# KiCad board SF_01 Compute Board.kicad_pcb (continued)
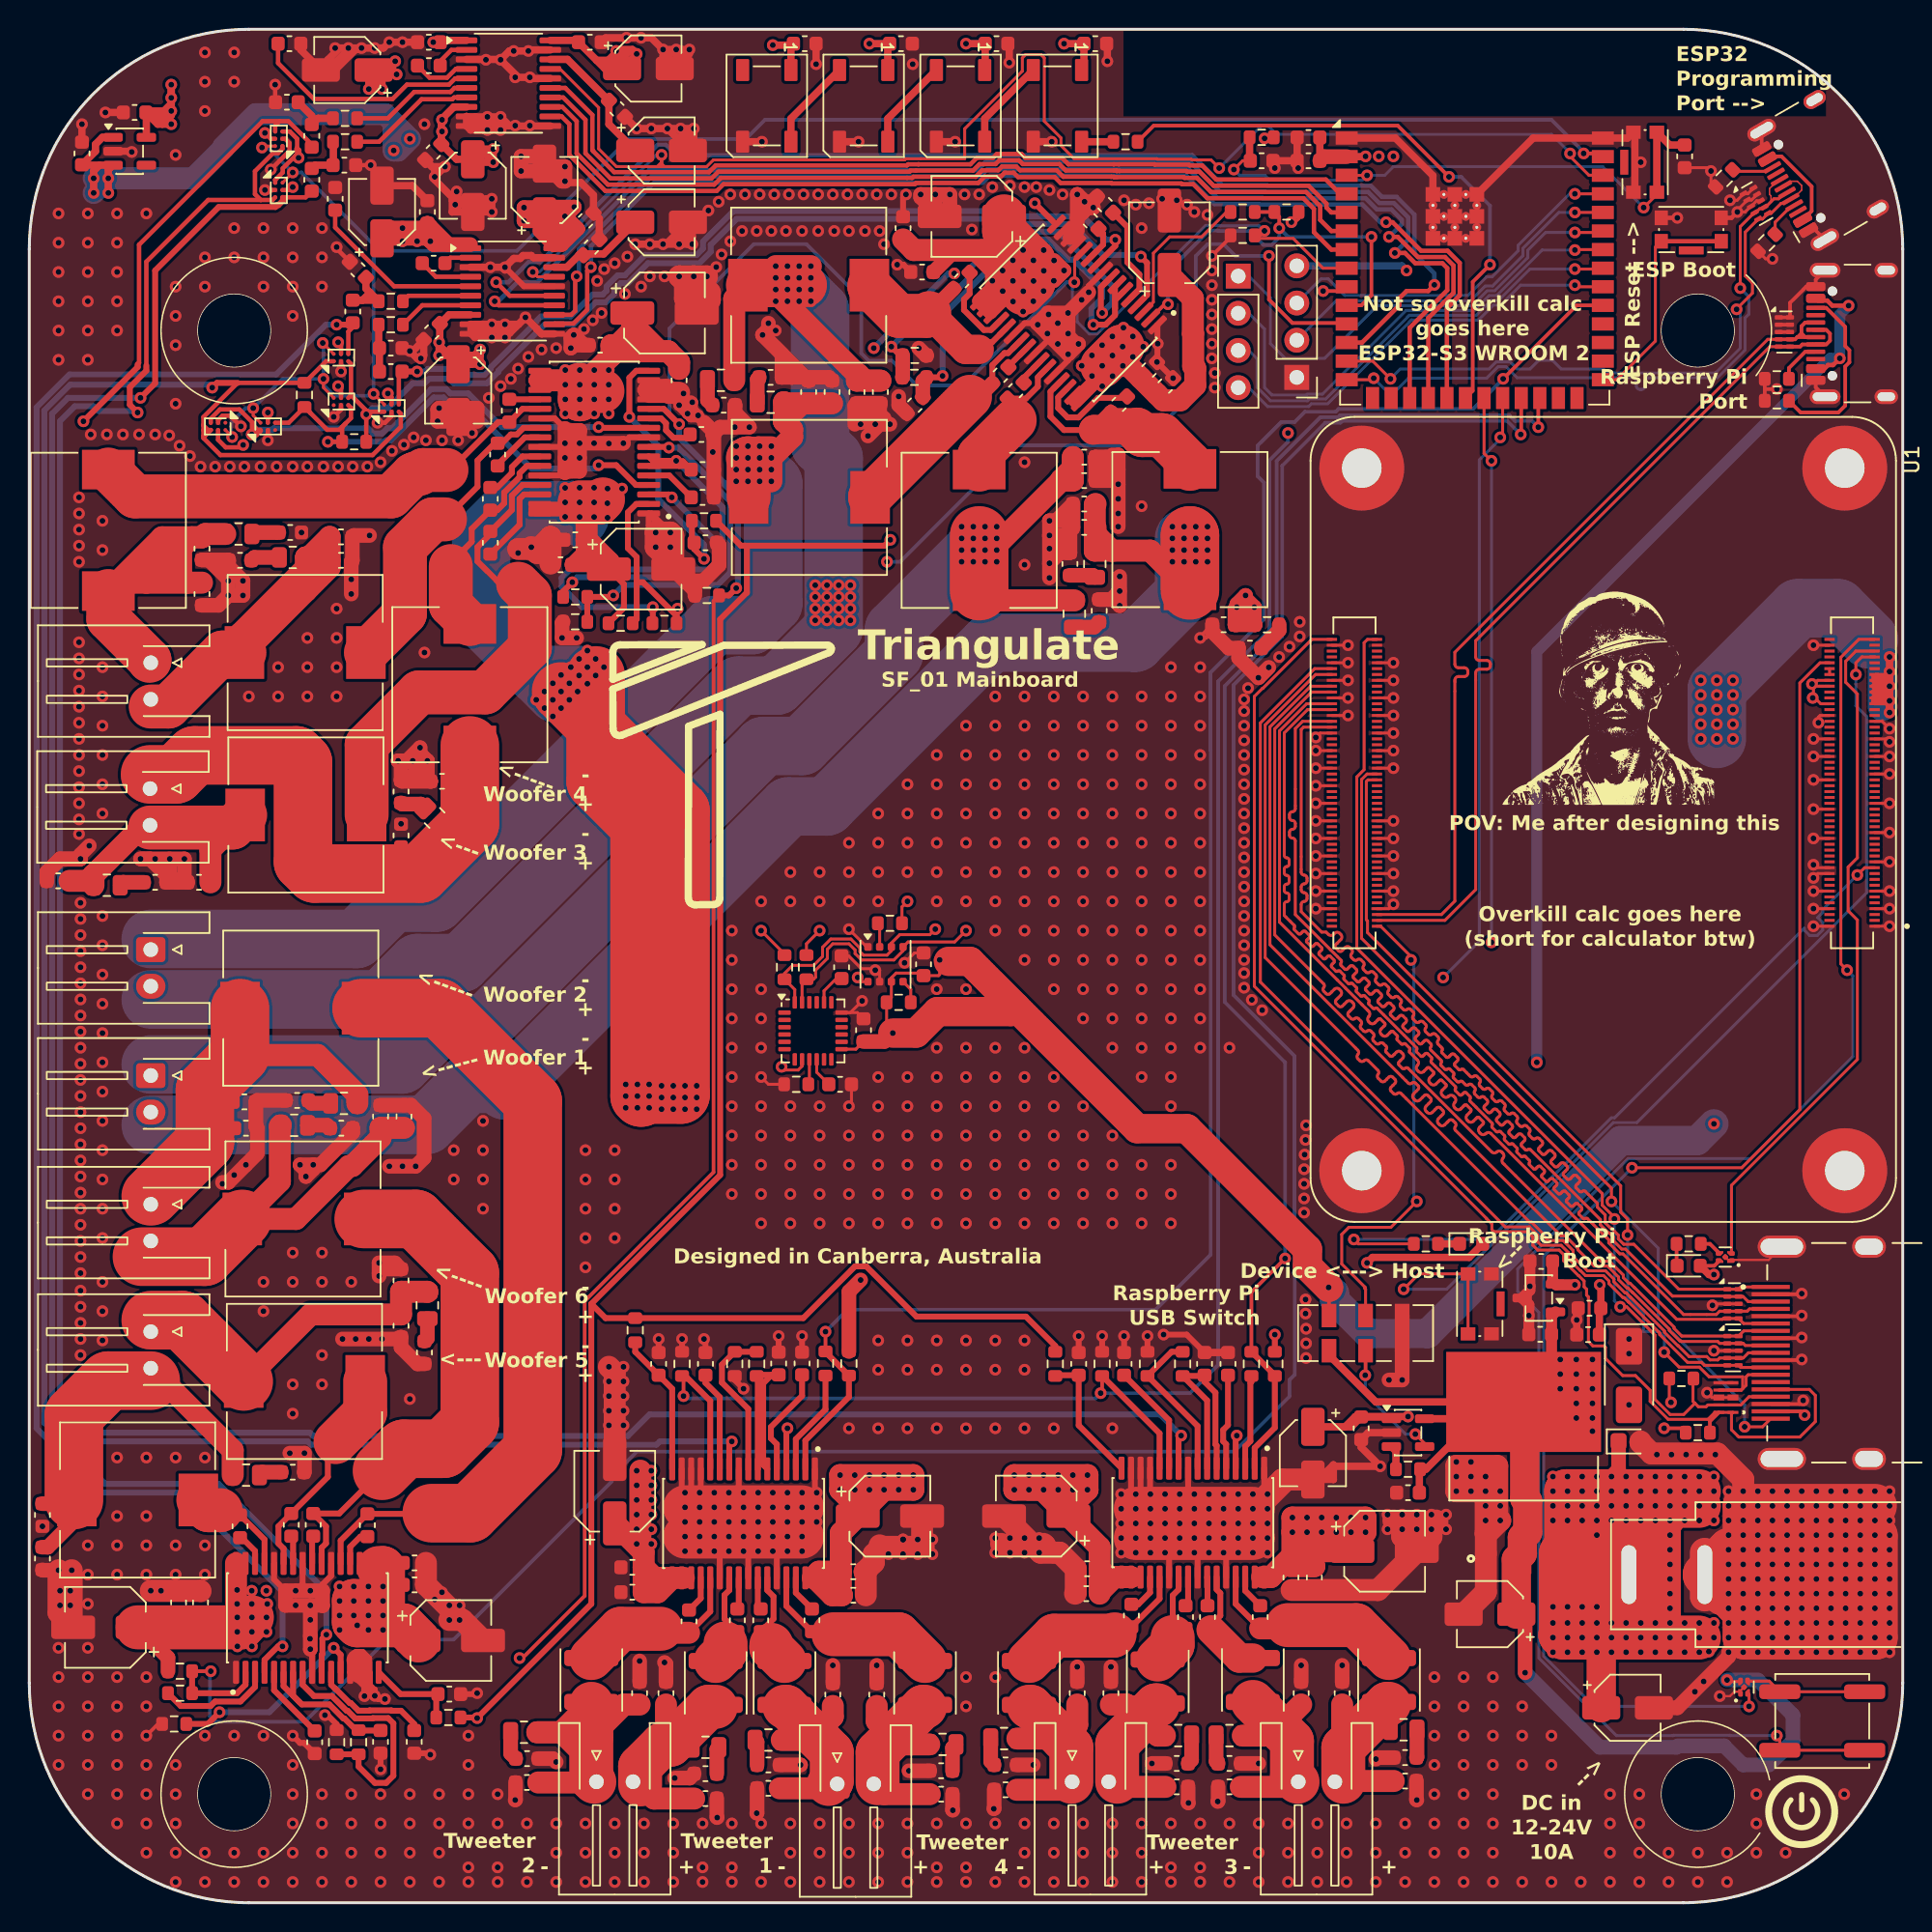
[diagram p0: board, top side]
## Routing (per net, layer and track width the routed paths; a pad name or vN(x,y) marks a point on that pad's centre or on a via; arc(x,y) is an arc through that point) (continued)
GND: length 983.7
  Top w0.15: U8.3 117.16,14.73 116.85,14.42 116.5,14.42 116.2,14.12 v1(115.5,14.12) ; U9.3 116.07,43.92 118.83,43.92 J1.SH2
  Top w0.2: U1.33 v1(127.1,73.12) ; v1(87.9,67.92) U1.108 ; C71.2 55.97,64.69 56.85,63.82 57.7,63.82 v1(57.8,63.72) 58.1,63.72 U23.7 ; v1(115,40.82) 115.1,40.92 U3.8 ; U1.137 v1(93.2,73.92) ; v1(90.1,82.32) U1.180 ; C6.2 86.62,118.59 v1(86.7,118.52) ; v1(87.9,70.32) U1.120 ; v1(121.9,70.02) 122.2,70.32 U1.20 ; v1(87.9,69.12) U1.114 ; U10.8 118.02,116.28 U10.3 ; U1.131 v1(93.2,72.72) ; v1(87.9,71.52) U1.126 ; v1(90.1,81.12) U1.174 ; U1.42 v1(121.9,74.72) ; U1.191 v1(93.2,84.72) ; CR1.6 CR1.5 ; U1.74 122.35,81.12 122.24,81.01 v1(122.24,80.62) ; U1.98 v1(121.9,85.92) ; U1.113 v1(93.2,69.12) ; U1.1 v1(127.1,66.72) ; 117.62,115.91 117.23,115.52 v1(116.7,115.52) 116.7,115.65 U10.2 117.66,116.33 U10.9 ; v1(87.9,75.12) U1.144 ; U1.125 v1(93.2,71.52) ; C72.2 56.18,54.59 v1(56,54.42) ; U1.13 v1(127.1,69.12) ; R69.2 50.5,55.92 v1(50,56.42) ; C8.1 84.97,118.64 v1(85.1,118.52) ; v1(127.1,80.22) 126.6,80.72 U1.71 ; v1(87.9,73.92) U1.138 ; v1(87.9,78.72) U1.162 ; U1.60 v1(121.9,78.32) ; v1(114.63,34.85) 114.96,34.52 CR1.8 CR1.3 ; U1.43 v1(127.1,75.12) ; U1.59 v1(127.1,78.32) ; v1(90.1,83.52) U1.186 ; v1(87.9,77.52) U1.156 ; U2.8 v1(115.1,37.72) ; C186.2 60.47,64.89 v1(59.8,64.22) ; v1(127.1,79.32) 126.9,79.52 U1.65 ; v1(116.2,116.32) 116.69,116.32 U10.1 117.41,116.76 U10.10 ; U1.66 v1(121.9,79.52) ; C185.2 56.57,60.82 U22.18 56.1,60.82 v1(56.9,61.62) ; v1(93.2,68.22) 92.9,67.92 U1.107 ; v1(87.9,72.72) U1.132 ; U1.119 v1(93.2,70.32) ; U1.53 v1(127.1,77.12) ; v1(90.1,84.72) U1.192 ; U1.14 v1(121.9,69.12) ; v1(119.1,112.32) 118.63,112.32 R7.1 ; 57.4,65.2 U23.1 57.21,65.3 v1(56,66.52) ; U1.32 v1(121.9,72.72) ; U1.168 88.2,79.92 v1(87.9,79.62) ; U1.173 v1(93.2,81.12) ; v1(121.9,70.92) 122.1,70.72 U1.22 ; U1.23 v1(127.1,71.12) ; U1.7 v1(127.1,67.92) ; U1.161 v1(93.2,78.72) ; C9.2 114.68,118.54 v1(114.9,118.32) 114.9,117.55 R66.1 ; U1.185 v1(93.2,83.52) ; U1.8 v1(121.9,67.92) ; v1(87.9,76.32) U1.150 ; v1(90.1,85.92) U1.198 ; U1.179 v1(93.2,82.32) ; U1.52 v1(121.9,76.72) ; U1.167 v1(93.2,79.92) ; U1.2 v1(121.9,66.72) ; U1.155 v1(93.2,77.52)
  Top w0.25: J15.A1 122.06,103.54 J15.SH ; J1.5 121.06,40.07 v1(121.1,40.12) ; 118.57,103.42 R3.1 ; 118.57,103.42 v1(119.4,103.42) 119.5,103.42 ; 118.57,103.42 R65.1 ; J1.2 121.06,41.57 v1(121.1,41.62) ; R36.1 8.8,12.22 v1(8,11.42) ; U7.1 U7.10 120.3,109.31 121.41,110.42 J15.A12 122.06,110.9 J15.SH ; J16.A1 122.03,114.28 J16.SH ; v1(121.1,38.62) 121.06,38.57 J1.8 ; U7.9 U7.2 ; J16.SH 118.37,121.1 J16.A12 ; J1.17 120.96,34.07 v1(121.2,34.32) ; U7.8 U7.3 ; R20.1 82.07,113.79 v1(80.8,112.52) ; v1(121.1,37.12) 121.06,37.07 J1.11 ; 80.82,86.84 80.4,86.42 v1(80,86.42) 80,86.49 C24.2
  Top w0.3: U13.B1 v1(21.3,104.62) ; SW3.2 116.3,115.12 v1(116.7,115.52) ; v1(16.1,117.02) U12.B1 ; v1(21,113.12) 21,113.02 C35.1 ; v1(23.8,101.12) 24.3,101.12 24.75,101.57 U25.B1 ; v1(20.8,101.52) 21.3,102.02 U15.B1 ; U24.B1 17.49,120.52 17.78,120.22 17.78,119.7 v1(16.5,118.42) ; 22.38,118.72 23.4,118.72 ; v1(16.8,124.22) 16.8,123.04 C11.1 ; v1(14.46,100.87) 13.73,101.6 13.2,101.6 12.9,101.3 U26.B1 ; SW3.2 v1(112.6,115.12) ; U16.B1 v1(16.3,99.92)
  Top w0.4: 20.04,21.32 20.04,21.75 20.62,22.34 U19.22 ; 42.7,94.32 42.7,94.54 U18.1 ; U21.22 77.88,24.44 77.97,24.54 v1(77.6,24.92) ; U21.13 76.57,27.94 v1(76.6,27.92) ; v1(42.8,93.62) 42.32,94.1 U18.1 ; v1(22.9,14.12) 23.27,14.49 23.27,14.85 ; v1(22.9,14.12) 22.9,15.14 22.3,15.74 ; v1(22.9,14.12) 22.9,14.77 U19.13 ; C103.1 18.78,10.92 18.5,10.92 v1(18,11.42) ; 22.3,15.74 U19.13 ; 22.3,15.74 U19.14 ; U19.13 21.92,16.59 ; 23.27,14.85 23.27,15.7 U19.15 ; 23.27,14.85 23.56,14.56 23.61,14.56 v1(23.61,14.14) 23.83,13.92 v1(24.3,13.92) ; U21.25 79.82,24.49 79.93,24.59 v1(79.6,24.92) ; C44.1 71.95,115.56 C46.1 70.72,114.23 U17.15 ; v1(40.59,99.72) 40.99,100.12 U18.9 ; U20.14 45.22,27.44 ; 45.22,27.44 v1(44.8,27.02) 44.58,27.24 U20.15 ; 45.22,27.44 45.88,28.09 U20.13 ; U17.13 71.56,113.38 ; U19.28 16.72,22.09 17.5,21.32 ; 75.38,27.14 v1(75.6,26.92) 75.93,27.24 ; R38.1 21,12.19 20.38,12.82 v1(20.2,12.82) ; U18.22 35.9,101.42 36.6,100.72 ; 48.4,27.02 48.47,27.09 U20.9 ; v1(50.8,25.02) 51.08,24.74 U20.28 ; 36.6,97.72 36.4,97.52 U18.28 ; U18.1 42.5,94.92 v1(43.8,93.62) ; v1(46.1,38.52) 46.2,38.42 C134.1 ; U19.15 U19.14 ; U19.15 23.22,16.69 22.79,17.13 22.3,17.13 22.58,16.85 U19.14 ; U21.14 75.93,27.24 ; 75.93,27.24 76.68,27.99 ; U17.9 72.39,110.46 v1(72.39,110.03) ; v1(69.56,107.21) 69.56,106.72 U17.25 ; v1(79.6,27.92) 79.18,28.34 U21.9 ; v1(48.8,25.02) 49.12,24.69 U20.25 ; v1(59.3,111.92) 59.72,111.92 C49.2 ; 81.7,24.92 81.78,24.84 U21.28 ; U17.1 77.08,105.29 v1(77.05,105.26) v1(78.15,104.16) ; C105.1 27.3,10.22 v1(27.4,10.12) ; v1(30.6,14.32) 30.54,14.25 C128.2 ; 35.86,110.44 33.8,110.44 v1(32.5,111.74) ; v1(18.2,21.32) 18.67,21.79 U19.25 ; 68.86,107.92 68,107.92 U17.22 ; v1(19.2,17.33) 19.33,17.2 U19.9 ; v1(77.5,38.82) 79.07,38.82 C159.1 ; C168.2 v1(71.7,38.72) ; C162.1 v1(74.8,38.72) ; v1(84.6,27.92) 84.38,28.14 U21.1 ; U20.1 53.67,27.14 v1(53.8,27.02) ; R48.1 48.2,35.72 v1(48.8,35.12) ; 81.88,24.64 v1(81.6,24.92) ; C50.2 59.7,116.52 v1(59.9,116.72) ; C131.1 v1(51.2,38.72) ; 44.6,37.64 v1(44.6,38.52) ; C140.2 v1(43,38.52) ; v1(75.6,27.92) 75.28,28.24 U21.15 ; v1(36.6,99.72) 36.35,99.47 U18.25 ; U17.28 70.98,105.38 v1(70.98,105.8) ; C102.1 v1(24,9.12) ; 76.4,37.64 v1(76.4,38.72) ; U20.22 47.17,24.64 v1(46.8,25.02) ; C132.1 v1(52.8,38.72) ; 79.28,26.99 79.2,26.92 ; 84.47,27.04 v1(84.6,26.92) ; 73.3,37.64 v1(73.3,38.72)
  Top w0.5: v1(32.5,111.74) 33.1,112.34 33.54,112.34 33.74,112.54 34.3,112.54 34.45,112.39 U14.19 ; v1(32.5,111.74) 32.5,111.54 ; v1(32.5,111.74) U14.3 ; C1.2 105.72,40.52 C2.2 105.82,39.92 v1(105.72,39.82) ; 22.4,126.62 22.3,126.62 20.9,125.22 20.4,125.22 ; 29.6,116.22 C15.2 ; 29.6,116.22 28.9,115.52 ; 29.6,116.22 29.4,116.42 29,116.42 ; C15.2 v1(31.6,115.52) v1(31.6,116.42) ; C15.2 28.9,115.52 ; C15.2 31.2,116.42 v1(31.6,116.42) ; v1(69.86,120.32) D2.3 ; v1(102.53,42.12) 102.53,41.84 U6.3 ; v1(43.3,126.62) 42.5,127.42 v1(41.8,127.42) v1(40.8,127.42) 39.38,127.42 C19.1 ; v1(43.3,126.62) 43.3,126.12 43.45,125.97 ; v1(43.3,126.62) v1(44.2,126.62) ; 31.25,107.39 30.65,107.39 30.2,107.84 ; 31.25,107.39 30.8,107.84 ; 31.25,107.39 31.6,107.04 v1(31.6,106.94) ; 43.45,125.97 44.1,126.62 v1(44.2,126.62) ; 43.45,125.97 C18.2 ; U5.3 32.17,125.94 v1(32.2,125.92) ; v1(32.2,122.02) 32.8,121.42 v1(33.2,121.42) ; v1(32.2,122.02) v1(32.2,121.12) ; v1(32.2,122.02) v1(31.3,122.02) ; v1(63.26,120.32) D5.3 ; v1(26,106.02) 26.2,106.02 C31.1 26.95,105.71 v1(26.75,105.51) 26.51,105.51 v1(26,106.02) ; v1(26,106.02) 25.8,106.22 C36.2 ; v1(45.3,113.32) 45.3,113.82 ; v1(45.3,113.32) v1(41.4,113.32) ; v1(45.3,113.32) 45,113.32 44.65,113.67 ; 45.3,113.82 44.8,113.82 44.65,113.67 ; 45.3,113.82 45.3,114.52 C33.2 ; C22.2 45,120.72 ; C22.2 45,119.82 44.2,120.62 ; C22.2 45.4,120.12 v1(45.4,121.22) v1(44.5,121.22) ; 45,120.72 v1(44.5,121.22) ; 45,120.72 44.9,120.62 44.2,120.62 ; v1(44.2,126.62) 44.2,125.42 C18.2 ; v1(44.2,126.62) v1(45.1,126.62) 45.1,126.32 44.9,126.12 ; v1(44.2,126.62) 44.7,126.12 44.9,126.12 ; v1(32.5,107.84) v1(31.6,107.84) ; v1(32.5,107.84) 33.42,107.84 v1(33.9,108.32) ; v1(32.5,107.84) v1(32.5,106.94) ; v1(31.6,107.84) v1(32.5,106.94) ; v1(31.6,107.84) 30.8,107.84 ; v1(31.6,107.84) v1(31.6,106.94) ; v1(22.7,126.72) 22.3,126.72 ; U5.16 34.28,124.64 v1(34.2,124.72) v1(33.2,124.72) 33.2,124.92 v1(32.2,125.92) ; 20.4,125.22 20.4,125.92 21.1,126.62 ; 20.4,125.22 21.5,126.32 ; v1(32.2,121.12) v1(31.3,122.02) ; v1(32.2,121.12) v1(31.3,121.12) ; v1(32.2,121.12) 32.5,121.42 v1(33.2,121.42) ; v1(31.3,122.02) v1(31.3,121.12) ; v1(31.3,122.02) 30.5,122.02 ; 29,116.42 28.9,116.32 28.9,115.52 ; 29,116.42 27.7,117.72 v1(27.7,117.92) ; v1(27.7,117.92) v1(28.4,118.62) 27.5,118.62 C14.1 27.7,118.42 v1(27.7,117.92) ; C28.1 26.17,117.32 C27.2 ; v1(31.3,121.12) 30.15,121.12 U5.10 U5.9 ; v1(31.3,121.12) 31.3,121.22 30.95,121.57 ; U5.11 33.22,121.39 v1(33.2,121.42) ; 30.95,121.57 30.35,121.57 U5.9 ; 30.95,121.57 30.5,122.02 ; v1(33.9,108.32) 32.83,107.24 32.8,107.24 v1(32.5,106.94) ; v1(33.9,108.32) 34.67,107.54 34.67,107.51 34.99,107.19 U14.11 ; v1(31.6,106.94) 30.45,106.94 30.17,107.22 30.17,107.8 30.14,107.84 30.2,107.84 ; v1(31.6,106.94) v1(32.5,106.94) ; C33.2 44.4,114.22 44.4,113.92 ; C33.2 43.5,113.32 v1(43.3,113.32) ; 88.6,29.42 89.1,29.92 ; 88.6,29.42 89.1,28.92 ; 88.6,29.42 88.1,28.92 C73.2 ; 89.1,29.92 89.1,28.92 ; 89.1,29.92 89.2,29.82 v1(92.3,29.82) 91,31.12 C47.1 91.47,32.12 U27.2 ; 30.8,107.84 30.2,107.84 ; v1(32.2,125.92) 32.8,126.52 v1(33.1,126.52) v1(34.1,126.52) 34.17,126.59 U5.19 ; 44.2,120.62 v1(43.6,121.22) ; v1(43.6,121.22) v1(42.5,121.22) v1(41.5,121.22) C23.1 ; v1(43.6,121.22) v1(44.5,121.22) ; 89.1,28.92 C73.2 ; v1(53.76,125.62) C37.1 ; C34.1 38.95,115.06 C26.1 38.55,116.67 37.69,117.52 36.69,117.52 v1(36.6,117.62) ; 30.5,122.02 29.9,122.02 U5.9 ; U11.2 6.95,119.67 v1(7,119.62) ; 44.9,126.12 C18.2 ; C160.1 C159.1 ; v1(31.6,116.42) 31.6,116.32 31.2,115.92 ; v1(73.66,125.82) 73.66,126.97 C42.1 ; C73.2 86.6,28.92 v1(84.6,26.92) ; v1(56.66,120.32) D6.3 ; 102.45,40.86 v1(102.45,40.12) ; SW4.1 109.7,116.97 109.7,120.87 SW4.1 109.2,120.57 U4.40 102.75,120.57 U4.41 ; 44.65,113.67 44.4,113.92 ; 44.4,113.92 v1(44.4,113.32) ; v1(50.06,120.32) D7.3 ; C39.1 66.96,126.92 v1(66.96,125.72) ; U4.1 93.34,120.57 95.9,118 U4.41 ; v1(20.9,126.72) v1(23.6,126.72) 24.2,126.72 v1(24.6,127.12) C17.1 ; C8.1 C6.2 C7.2 ; v1(5.2,122.32) C13.1 ; C16.2 18.55,126.59 C21.2 ; v1(3.6,121.52) C12.1
  Top w0.75: v1(45.3,102.52) 45.2,102.62 ; v1(45.3,102.52) 45.1,102.32 v1(44.4,102.32) ; v1(45.3,102.52) 45.3,102.02 v1(45.7,101.62) ; v1(44.4,102.32) 44.4,102.49 44.04,102.85 42.32,102.85 ; v1(44.4,102.32) 44.4,102.32 v1(44.98,101.74) 45.2,101.52 45.6,101.52 v1(45.7,101.62) ; v1(45.7,101.62) 45.7,101.56 46.11,101.14 ; C5.2 102.53,41.84 U6.3 102.45,40.86 C4.2 ; 44.62,103.24 C80.2
  Top w1: 2.1,71.32 v1(3.5,71.32) ; 2.1,71.32 1.2,70.42 ; 2.1,71.32 1.2,70.42 ; 2.1,71.32 v1(3.5,71.32) ; v1(3.5,71.32) 3.5,71.62 v1(4.1,72.22) ; C156.2 35.77,9.85 v1(36,9.62) ; v1(68.6,9.42) C184.2 ; 74.15,97.17 C60.2 C62.2 ; 74.15,97.17 72.85,98.47 C62.2 ; 74.15,97.17 v1(74.4,96.92) ; v1(116.1,17.12) 116.1,16.82 112.6,13.32 C3.2 ; 23.9,43.02 v1(23.9,43.72) 24.97,43.72 C116.2 24.17,43.29 23.9,43.02 ; 23.9,43.02 v1(23.9,42.82) ; v1(74.4,94.02) 74.4,98.92 ; 74.4,98.92 74.25,98.77 C62.2 ; 74.4,98.92 74,98.92 ; v1(48.2,100.82) 47.2,100.82 C77.1 ; v1(48.2,100.82) v1(49.2,100.82) 48.23,101.79 C70.2 48.2,102.29 v1(48.2,100.82) ; C62.2 73.55,98.77 74.4,97.92 74.3,97.82 ; C64.1 70.43,92.24 v1(69.7,91.52) ; C64.1 70.87,92.24 v1(69.7,93.42) 70.75,93.42 C59.1 ; C64.1 71.1,93.77 C59.1 ; v1(33.2,7.02) 33.22,7.04 C152.2 ; C182.2 v1(84,9.52) ; 52.1,104.22 C69.1 51.43,105.79 v1(50.1,107.12) ; 52.1,104.22 54.62,104.22 54.85,103.99 ; 52.1,104.22 52.4,104.52 ; v1(2.9,22.72) 0.92,22.72 C115.1 ; C124.2 26.53,36.82 25.4,37.94 C120.2 25.28,38.52 v1(21.4,38.52) ; C46.1 71.95,116.36 v1(71.6,116.72) ; C46.1 72.3,115.82 v1(72.7,115.82) 72.5,115.82 v1(72.1,116.22) ; C46.1 71.6,115.11 ; 1.2,70.42 C92.1 1.2,70.42 ; v1(61.9,116.72) 61.9,115.52 C51.2 ; C48.1 59.4,102.32 v1(59.4,102.92) ; 46.11,101.14 46.7,100.56 C77.1 ; v1(27.2,78.02) 26.7,78.52 v1(26.7,78.92) 25.8,78.02 v1(25.2,78.02) ; v1(27.2,78.02) 25.87,76.69 C97.2 ; v1(27.2,78.02) v1(26.2,78.02) ; v1(27.2,78.02) 27.2,76.84 C89.2 ; C154.2 52.69,9.42 52.7,9.41 ; v1(50.1,107.12) 50.13,107.12 C67.1 53.4,104.14 ; v1(50.1,107.12) 50.5,107.52 v1(50.5,107.92) ; 69.6,108.62 68.9,107.92 68.86,107.92 v1(70.98,105.8) v1(71.69,106.5) 71.51,106.5 69.6,108.42 69.6,108.62 ; 69.6,108.62 v1(70.97,108.62) 70.98,108.61 v1(70.98,107.21) ; v1(19.2,17.33) v1(19.2,20.32) ; v1(58.8,101.02) 58.1,101.02 v1(57.3,100.22) ; 10.1,69.72 C96.1 9.38,70.19 8.25,71.32 v1(7.6,71.32) v1(10.6,71.32) 10.6,69.94 C88.1 10.1,69.72 ; 10.1,69.72 9.6,70.22 v1(9.6,71.32) ; v1(84.69,84.4) v1(83.98,83.7) 82.62,85.05 C43.2 81.95,85.72 80.82,86.84 C24.2 ; v1(13.6,89.32) v1(13.6,90.32) 13.6,90.42 12.28,91.74 C95.2 13.6,91.74 C98.1 13.62,91.29 v1(14.6,90.32) v1(14.6,89.32) v1(13.6,89.32) ; v1(13.6,89.32) 12.92,88.64 C91.2 ; C25.2 36.4,117.62 v1(36.6,117.62) v1(36.6,118.62) 35.4,118.62 C25.2 ; C25.2 34.7,119.32 v1(33.6,119.32) v1(33.6,118.32) 34.7,118.32 C25.2 ; v1(47,5.82) 46.97,5.84 C151.1 ; 57.2,102.44 C66.2 56.4,102.29 56.4,101.02 ; 57.2,102.44 57.3,102.34 57.3,101.12 57.4,101.02 ; 57.2,102.44 C68.2 58.1,102.39 58.1,101.72 58.4,101.42 58.4,101.02 ; 71.6,115.11 71.6,114.27 U17.14 ; 71.6,115.11 v1(71.6,116.72) ; v1(71.6,116.72) v1(72.1,116.22) ; C51.2 62.9,115.92 v1(62.9,116.72) v1(60.9,116.72) 60.9,116.52 C51.2 ; v1(79.2,6.82) 79.18,6.84 C175.1 ; v1(24.6,50.32) v1(26.4,50.32) 26.98,50.89 26.98,53.59 26.08,54.49 C117.1 C121.1 ; C89.2 26.03,78.02 v1(25.2,78.02) ; C89.2 25.47,76.62 C97.2 ; v1(19.4,50.42) 19.89,50.42 22.1,52.63 C125.1 21.8,52.62 ; v1(19.4,50.42) 19.4,50.12 v1(18.9,49.62) 18.9,50.02 v1(18.5,50.42) v1(19.4,50.42) ; 37.6,100.59 36.73,100.59 36.6,100.72 36.6,97.72 36.69,97.8 37.6,97.8 v1(37.6,99.72) ; 37.6,100.59 v1(37.6,99.72) ; 37.6,100.59 37.62,100.59 ; 13.2,49.22 13.6,49.22 v1(14.8,50.42) 15.58,51.19 C122.2 15.47,53.02 C118.2 15.58,54.82 C126.2 ; v1(72.1,116.22) 72.6,116.22 C44.1 ; v1(37.6,99.72) v1(40.59,99.72) ; v1(37.6,99.72) v1(36.6,99.72) ; C150.2 v1(54.9,16.22) ; C97.2 25.4,77.82 v1(25.2,78.02) ; v1(43.4,16.42) 43.5,16.32 C147.1 ; v1(74.5,90.62) v1(74.5,88.62) 74.07,89.04 C63.2 73.93,89.04 v1(74.5,89.62) ; R29.1 36.4,87.44 v1(36.4,86.42) v1(37.4,86.42) ; C177.1 v1(89.7,16.22) ; C178.2 v1(86.9,16.22) ; v1(22,89.42) 22,91.64 C90.1 C94.1 22.17,93.42 v1(23.25,93.42) ; v1(69.7,94.42) 70.85,94.42 C59.1 ; v1(69.7,94.42) v1(69.7,90.52) ; v1(69.7,94.42) 70.15,94.42 C61.1 C59.1 ; C155.1 45.12,8.52 v1(44.1,8.52) ; C123.1 18.8,29.44 v1(18.8,30.72) v1(17.8,30.72) ; C173.1 94.78,7.04 v1(94.8,7.02) ; C146.2 49.72,6.14 v1(49.7,6.12) ; C176.2 65.93,6.44 v1(65.9,6.42) ; v1(92.9,35.72) v1(93.8,35.72) SW6.6 SW6.3 ; C174.2 81.22,6.94 v1(81.2,6.92) ; C181.1 92.11,9.92 v1(92,9.81) ; C77.1 46.78,100.24 C75.1 C76.1 ; v1(60.78,106.21) 61.27,105.72 R19.1 ; C180.2 v1(71.6,16.12) ; v1(72.39,110.03) v1(69.56,107.21) ; C179.1 v1(73.9,16.12) ; v1(63.1,6.32) 63.07,6.34 C145.1 ; R27.1 45.47,89.64 C83.2 44.8,90.32 46.06,90.32 47.13,91.39 47.13,92.76 C127.2 ; C148.2 v1(41.7,16.52) ; v1(60.1,9.02) C153.1 ; C149.1 v1(57.9,16.22) ; C183.1 v1(76.7,9.52) ; v1(37.6,98.72) v1(36.6,98.72) ; 30.6,102.12 30.6,101.22 v1(27.9,101.22) 27.9,102.02 v1(28,102.12) 30.6,102.12 ; C82.2 37.2,106.42 v1(37,106.22) 37,106.92 v1(37.2,107.12) 37.9,106.42 C82.2 ; v1(18.2,21.32) 20.04,21.32 20.04,20.3 20.02,20.32 17.5,20.32 17.5,21.32 v1(18.2,21.32)
  Top w1.5: C107.2 11.67,21.32 v1(8.3,21.32) ; 35.61,93.31 34.79,92.49 33.4,92.49 ; 35.61,93.31 35.61,91.5 ; 35.61,93.31 35.61,92.22 34.7,92.22 v1(34.3,92.62) ; C161.2 93.8,25.02 v1(93.8,25.52) ; C161.2 92.15,21.36 86.25,21.36 ; C161.2 v1(94.8,25.52) ; C161.2 95.8,25.02 v1(95.8,25.52) ; v1(45.4,111.12) 46.5,110.02 46.5,109.52 C78.2 ; v1(39.6,36.62) 40,36.22 C133.2 ; 57.15,21.01 57.15,22.54 C137.2 57.7,23.24 57.7,23.82 58.2,24.32 ; 58.2,24.32 61.1,24.32 61,24.42 C139.2 ; 58.2,24.32 58.1,24.42 ; C40.2 99.52,21.24 99.52,25.14 99.56,25.18 ; C110.2 29.6,19.32 28.7,19.32 ; 110.08,31.52 110.08,31.45 110.84,30.69 115.34,30.69 117.1,28.93 v1(117.1,28.12) ; 99.56,25.18 v1(100.5,26.12) 100.3,26.32 100.3,29.85 97.5,29.85 v1(97.5,28.12) v1(99.5,28.12) 99.5,25.24 99.56,25.18 ; 96.1,26.12 96.2,26.02 93.3,26.02 93.2,26.12 ; v1(2,22.72) 2,19.82 C104.2 2.9,18.92 v1(2.9,22.72) ; U18.14 43.52,103.37 43.73,103.16 44.4,103.16 ; v1(29.4,19.32) 29.4,19.42 C109.2 C108.2 ; C78.2 45.6,108.82 44.8,109.62 44.8,110.72 v1(44.4,111.12) v1(46.3,111.12) 45.6,110.42 C78.2 ; C73.2 85.6,28.92 v1(83.6,26.92) ; C166.2 71.5,21.17 C165.2 70.4,23.92 69.1,23.92 C167.2 ; U19.14 22.58,16.53 22.53,16.58 22.43,16.58 ; 66.4,24.52 66.5,24.42 69.4,24.42 69.3,24.52 ; v1(99.5,29.12) v1(98.5,29.12) ; 44,91.42 v1(42.8,92.62) v1(42.8,93.62) v1(43.8,93.62) 44,93.42 C83.2 44,91.42
  Top w3: v1(126.1,27.12) 117.2,27.12 117.2,18.12 126.16,18.12 126.16,25.06 v1(125.1,26.12) ; v1(122.1,26.12) v1(122.1,19.12) ; v1(120.1,20.12) v1(119.1,19.12) ; v1(120.1,20.12) 116.97,20.12 116.54,20.55 ; v1(120.1,20.12) v1(120.1,25.12) v1(119.1,26.12) ; v1(52.8,27.02) v1(44.8,27.02) ; v1(124.1,26.12) v1(124.1,19.12) ; v1(75.6,26.92) v1(83.6,26.92) ; v1(44.8,25.02) v1(52.8,25.02) ; v1(120.1,24.12) 116.17,24.12 J2.2 115.77,21.12 v1(117.1,21.12) ; v1(75.6,24.92) v1(83.6,24.92)
  vias: v1(0.9,25.72) v1(2,115.42) v1(2,113.42) v1(2,111.42) v1(2,109.42) v1(2,107.42) v1(2,105.42) v1(2,17.42) v1(2,15.42) v1(2,13.42) v1(2,11.42) v1(2,9.42) v1(2.1,21.32) v1(2.1,20.32) v1(2.8,21.32) v1(2.8,20.32) v1(3.4,96.02) v1(3.4,94.92) v1(3.4,93.82) v1(3.4,92.72) v1(3.4,91.62) v1(3.4,86.12) v1(3.4,85.02) v1(3.4,83.92) v1(3.4,82.82) v1(3.4,81.72) v1(3.4,80.62) v1(3.4,79.52) v1(3.4,78.42) v1(3.4,77.32) v1(3.4,76.22) v1(3.4,75.12) v1(3.4,74.02) v1(3.4,73.02) v1(3.5,68.32) v1(3.5,67.22) v1(3.5,66.12) v1(3.5,65.02) v1(3.5,63.92) v1(3.5,62.82) v1(3.5,61.72) v1(3.5,60.62) v1(3.5,59.52) v1(3.5,58.42) v1(3.5,57.32) v1(3.5,56.22) v1(3.5,55.12) v1(3.5,54.02) v1(3.5,52.92) v1(3.5,51.82) v1(3.5,50.72) v1(3.5,49.62) v1(3.5,48.52) v1(3.5,47.42) v1(3.5,46.32) v1(3.5,45.22) v1(3.5,44.12) v1(3.5,43.02) v1(3.5,41.82) v1(3.5,40.72) v1(3.5,39.62) v1(3.5,38.52) v1(3.5,37.42) v1(4,115.42) v1(4,113.42) v1(4,111.42) v1(4,109.42) v1(4,107.42) v1(4,105.42) v1(4,24.42) v1(4,22.42) v1(4,20.42) v1(4,17.42) v1(4,15.42) v1(4,13.42) v1(4,11.42) v1(4,9.42) v1(4,7.42) v1(4.2,100.32) v1(5,94.42) v1(5,92.42) v1(5,84.42) v1(5,82.42) v1(5,80.42) v1(5,78.42) v1(5,76.42) v1(5,74.42) v1(5,67.42) v1(5,65.42) v1(5,63.42) v1(5,61.42) v1(5,59.42) v1(5,57.42) v1(5,55.42) v1(5,53.42) v1(5,51.42) v1(5,49.42) v1(5,47.42) v1(5,45.42) v1(5,42.42) v1(5,40.42) v1(5,38.42) v1(5.3,100.32) v1(6,115.42) v1(6,113.42) v1(6,111.42) v1(6,109.42) v1(6,107.42) v1(6,30.42) v1(6,26.42) v1(6,24.42) v1(6,22.42) v1(6,15.42) v1(6,13.42) v1(6,11.42) v1(6,9.42) v1(6,7.42) v1(6,5.42) v1(6.4,100.32) v1(7.5,100.32) v1(8,115.42) v1(8,30.42) v1(8,26.42) v1(8,24.42) v1(8,22.42) v1(8,15.42) v1(8,13.42) v1(8,9.42) v1(8,7.42) v1(8,5.42) v1(8,3.42) v1(8.6,100.32) v1(8.6,71.32) v1(9,21.32) v1(9.56,100.25) v1(10,119.42) v1(10,110.42) v1(10,108.42) v1(10,106.42) v1(10,102.42) v1(10,30.42) v1(10,24.42) v1(10,22.42) v1(10,9.42) v1(10,7.42) v1(10,5.42) v1(10,3.42) v1(10,1.42) v1(10.27,99.55) v1(10.98,98.84) v1(11.7,98.12) v1(12,126.42) v1(12,124.42) v1(12,122.42) v1(12,112.42) v1(12,110.42) v1(12,30.42) v1(12,24.42) v1(12,22.42) v1(12,11.42) v1(12,3.42) v1(12,1.42) v1(12.7,98.12) v1(13.2,49.12) v1(13.7,98.12) v1(14,126.42) v1(14,124.42) v1(14,114.42) v1(14,112.42) v1(14,49.72) v1(14,11.42) v1(14,3.42) v1(14,1.42) v1(14.7,98.12) v1(15,82.42) v1(15.8,98.12) v1(16,114.42) v1(16,112.42) v1(16,110.42) v1(16,42.42) v1(16,40.42) v1(16,11.42) v1(16,3.42) v1(16,1.42) v1(16.9,98.12) v1(17,84.42) v1(17,82.42) v1(18,114.42) v1(18,112.42) v1(18,110.42) v1(18,108.42) v1(18,98.12) v1(18,44.42) v1(18,42.42) v1(18,35.42) v1(18,33.42) v1(18,9.42) v1(18,7.42) v1(18,5.42) v1(18,3.42) v1(18,1.42) v1(18.2,20.32) v1(18.6,93.62) v1(19,98.12) v1(19,86.42) v1(19,84.42) v1(19,82.42) v1(19.2,21.32) v1(19.2,19.33) v1(19.18,18.03) v1(20,114.42) v1(20,112.42) v1(20,110.42) v1(20,44.42) v1(20,42.42) v1(20,37.42) v1(20,35.42) v1(20,7.42) v1(20,5.42) v1(20,3.42) v1(20,1.42) v1(20.1,98.12) v1(21,88.42) v1(21,86.42) v1(21,84.42) v1(21,82.42) v1(21.1,98.12) v1(21.8,126.72) v1(22,90.42) v1(22,42.42) v1(22,7.42) v1(22,5.42) v1(22,3.42) v1(22,1.42) v1(22.1,98.12) v1(22.3,38.52) v1(23.1,98.12) v1(23.2,38.52) v1(23.33,118.72) v1(24,98.42) v1(24,7.42) v1(24,5.42) v1(24,3.42) v1(24,1.42) v1(24.1,38.52) v1(24.78,99.19) v1(25.4,73.72) v1(25.5,127.12) v1(25.5,50.32) v1(25.6,99.62) v1(26,34.42) v1(26,7.42) v1(26,5.42) v1(26,3.42) v1(26,1.42) v1(26.26,100.12) v1(27,121.52) v1(27,85.42) v1(27.1,99.92) v1(27.7,20.72) v1(28,7.42) v1(28,5.42) v1(28,3.42) v1(28,1.42) v1(28.2,99.92) v1(28.19,21.21) v1(28.7,20.32) v1(28.7,19.32) v1(29,51.42) v1(29,49.42) v1(29.1,116.02) v1(29.2,116.92) v1(29.3,99.92) v1(29.4,20.32) v1(30,11.42) v1(30,9.42) v1(30,7.42) v1(30,5.42) v1(30,2.42) v1(30,1.42) v1(30.25,100.42) v1(31,53.42) v1(31,51.42) v1(31,49.42) v1(31,47.42) v1(31.2,125.92) v1(31.4,102.82) v1(31.5,111.74) v1(32,7.42) v1(32,5.42) v1(32,2.42) v1(32,1.42) v1(32.2,103.62) v1(32.9,104.12) v1(33.4,104.82) v1(33.4,92.22) v1(34,5.42) v1(34,1.42) v1(34.1,105.62) v1(34.2,121.42) v1(35,106.12) v1(36,106.22) v1(36,5.42) v1(36,3.42) v1(36,1.42) v1(37.9,107.52) v1(38,51.42) v1(38,49.42) v1(38,47.42) v1(38,45.42) v1(38,43.42) v1(38,5.42) v1(38,3.42) v1(38,1.42) v1(38.5,108.12) v1(38.59,99.72) v1(38.8,110.81) v1(39.1,108.62) v1(39.28,111.61) v1(39.6,99.7) v1(39.6,35.62) v1(39.6,34.62) v1(39.6,33.62) v1(39.6,32.62) v1(40,112.02) v1(40,51.42) v1(40,49.42) v1(40,47.42) v1(40,45.42) v1(40,5.42) v1(40,3.42) v1(40,1.42) v1(40.6,36.62) v1(40.6,35.62) v1(40.6,34.62) v1(40.6,33.62) v1(40.6,32.62) v1(40.7,109.92) v1(40.87,112.47) v1(41.8,110.42) v1(42,5.42) v1(42,3.42) v1(42,1.42) v1(42.4,113.32) v1(42.4,111.12) v1(43.4,111.12) v1(43.8,92.62) v1(44,5.42) v1(44,3.42) v1(44,1.42) v1(44.7,103.12) v1(44.8,28.02) v1(44.8,26.02) v1(44.8,24.02) v1(45.8,28.02) v1(45.8,27.02) v1(45.8,26.02) v1(45.8,25.02) v1(45.8,24.02) v1(46,5.42) v1(46,2.42) v1(46,1.42) v1(46.4,115.62) v1(46.7,99.12) v1(46.8,28.02) v1(46.8,27.02) v1(46.8,26.02) v1(46.8,24.02) v1(46.94,111.75) v1(47.1,116.22) v1(47.3,112.62) v1(47.8,28.02) v1(47.8,27.02) v1(47.8,26.02) v1(47.8,25.02) v1(47.8,24.02) v1(47.9,116.72) v1(47.9,113.52) v1(48,66.42) v1(48,64.42) v1(48,62.42) v1(48,60.42) v1(48,58.42) v1(48,56.42) v1(48,54.42) v1(48,52.42) v1(48,50.42) v1(48,48.42) v1(48,5.42) v1(48,2.42) v1(48,1.42) v1(48.7,114.22) v1(48.8,28.02) v1(48.8,27.02) v1(48.8,26.02) v1(48.8,24.02) v1(48.9,116.72) v1(49.7,114.22) v1(49.8,28.02) v1(49.8,27.02) v1(49.8,26.02) v1(49.8,25.02) v1(49.8,24.02) v1(49.9,116.72) v1(50,68.42) v1(50,62.42) v1(50,60.42) v1(50,58.42) v1(50,54.42) v1(50,52.42) v1(50,50.42) v1(50,48.42) v1(50,46.42) v1(50,5.42) v1(50,1.42) v1(50.7,114.22) v1(50.8,28.02) v1(50.8,27.02) v1(50.8,26.02) v1(50.8,24.02) v1(50.9,116.72) v1(51,107.42) v1(51.7,114.22) v1(51.8,28.02) v1(51.8,27.02) v1(51.8,26.02) v1(51.8,25.02) v1(51.8,24.02) v1(51.9,116.72) v1(52,70.42) v1(52,68.42) v1(52,54.42) v1(52,52.42) v1(52,50.42) v1(52,48.42) v1(52,46.42) v1(52,5.42) v1(52,3.42) v1(52,1.42) v1(52.7,9.42) v1(52.8,114.22) v1(52.8,28.02) v1(52.8,26.02) v1(52.8,24.02) v1(52.9,116.72) v1(53.8,28.02) v1(53.8,26.02) v1(53.9,116.72) v1(53.9,114.22) v1(54,70.42) v1(54,68.42) v1(54,54.42) v1(54,52.42) v1(54,50.42) v1(54,48.42) v1(54,46.42) v1(54,5.42) v1(54,3.42) v1(54,1.42) v1(54.9,116.72) v1(55,114.22) v1(55.9,116.72) v1(56,114.22) v1(56,72.42) v1(56,70.42) v1(56,68.42) v1(56,52.42) v1(56,50.42) v1(56,48.42) v1(56,46.42) v1(56,32.42) v1(56,5.42) v1(56,3.42) v1(56,1.42) v1(56.8,101.02) v1(56.9,116.72) v1(57.1,114.22) v1(57.8,101.02) v1(57.9,116.72) v1(58,74.42) v1(58,72.42) v1(58,70.42) v1(58,68.42) v1(58,56.42) v1(58,54.42) v1(58,52.42) v1(58,50.42) v1(58,48.42) v1(58,46.42) v1(58,38.42) v1(58,36.42) v1(58,32.42) v1(58,5.42) v1(58,3.42) v1(58,1.42) v1(58.1,114.22) v1(58.4,113.32) v1(58.7,23.82) v1(58.9,116.72) v1(59.7,24.82) v1(59.7,24.82) v1(59.7,23.82) v1(60,76.42) v1(60,74.42) v1(60,72.42) v1(60,70.42) v1(60,56.42) v1(60,54.42) v1(60,52.42) v1(60,50.42) v1(60,48.42) v1(60,46.42) v1(60,38.42) v1(60,36.42) v1(60,32.42) v1(60,5.42) v1(60,3.42) v1(60,1.42) v1(60.36,125.62) v1(60.7,24.82) v1(60.7,23.82) v1(61.7,24.82) v1(61.7,23.82) v1(62,78.42) v1(62,76.42) v1(62,74.42) v1(62,72.42) v1(62,70.42) v1(62,68.42) v1(62,62.42) v1(62,58.42) v1(62,56.42) v1(62,54.42) v1(62,52.42) v1(62,50.42) v1(62,48.42) v1(62,46.42) v1(62,38.42) v1(62,36.42) v1(62,32.42) v1(62,5.42) v1(62,2.42) v1(62,1.42) v1(63.9,116.72) v1(64,80.42) v1(64,78.42) v1(64,76.42) v1(64,74.42) v1(64,72.42) v1(64,70.42) v1(64,68.42) v1(64,62.42) v1(64,58.42) v1(64,56.42) v1(64,54.42) v1(64,52.42) v1(64,50.42) v1(64,48.42) v1(64,46.42) v1(64,38.42) v1(64,36.42) v1(64,32.42) v1(64,15.42) v1(64,13.42) v1(64,5.42) v1(64,2.42) v1(64,1.42) v1(64.4,114.32) v1(64.9,116.72) v1(65.8,117.22) v1(66,82.42) v1(66,80.42) v1(66,78.42) v1(66,76.42) v1(66,74.42) v1(66,72.42) v1(66,70.42) v1(66,68.42) v1(66,66.42) v1(66,58.42) v1(66,56.42) v1(66,54.42) v1(66,52.42) v1(66,50.42) v1(66,48.42) v1(66,46.42) v1(66,38.42) v1(66,36.42) v1(66,32.42) v1(66,24.92) v1(66,23.92) v1(66,15.42) v1(66,5.42) v1(66,1.42) v1(67,117.32) v1(67,24.92) v1(67,23.92) v1(68,117.22) v1(68,98.42) v1(68,91.42) v1(68,82.42) v1(68,80.42) v1(68,78.42) v1(68,76.42) v1(68,74.42) v1(68,72.42) v1(68,70.42) v1(68,68.42) v1(68,66.42) v1(68,64.42) v1(68,58.42) v1(68,56.42) v1(68,54.42) v1(68,52.42) v1(68,50.42) v1(68,48.42) v1(68,46.42) v1(68,38.42) v1(68,36.42) v1(68,32.42) v1(68,24.92) v1(68,23.92) v1(68,5.42) v1(68,3.42) v1(68,1.42) v1(68.8,117.22) v1(68.9,107.82) v1(69,24.92) v1(69,23.92) v1(69.64,108.52) v1(69.7,117.02) v1(69.7,92.52) v1(70,82.42) v1(70,80.42) v1(70,78.42) v1(70,76.42) v1(70,74.42) v1(70,72.42) v1(70,70.42) v1(70,68.42) v1(70,66.42) v1(70,64.42) v1(70,62.42) v1(70,56.42) v1(70,54.42) v1(70,52.42) v1(70,50.42) v1(70,48.42) v1(70,46.42) v1(70,32.42) v1(70,5.42) v1(70,3.42) v1(70,1.42) v1(70.27,107.92) v1(70.27,106.5) v1(70.6,116.72) v1(71.9,109.52) v1(72,82.42) v1(72,80.42) v1(72,78.42) v1(72,76.42) v1(72,74.42) v1(72,72.42) v1(72,70.42) v1(72,68.42) v1(72,66.42) v1(72,64.42) v1(72,62.42) v1(72,60.42) v1(72,54.42) v1(72,52.42) v1(72,50.42) v1(72,48.42) v1(72,46.42) v1(72,5.42) v1(72,3.42) v1(72,1.42) v1(74,82.42) v1(74,80.42) v1(74,78.42) v1(74,76.42) v1(74,74.42) v1(74,72.42) v1(74,70.42) v1(74,68.42) v1(74,66.42) v1(74,64.42) v1(74,62.42) v1(74,60.42) v1(74,58.42) v1(74,52.42) v1(74,50.42) v1(74,48.42) v1(74,46.42) v1(74,32.42) v1(74,5.42) v1(74,3.42) v1(74,1.42) v1(74.4,95.92) v1(74.4,94.92) v1(74.6,27.92) v1(74.6,26.92) v1(74.6,25.92) v1(74.6,24.92) v1(74.6,23.92) v1(74.8,116.32) v1(75.6,116.02) v1(75.6,25.92) v1(75.6,23.92) v1(76,114.42) v1(76,95.42) v1(76,82.42) v1(76,80.42) v1(76,78.42) v1(76,76.42) v1(76,74.42) v1(76,72.42) v1(76,70.42) v1(76,68.42) v1(76,66.42) v1(76,64.42) v1(76,62.42) v1(76,60.42) v1(76,58.42) v1(76,56.42) v1(76,50.42) v1(76,48.42) v1(76,46.42) v1(76,5.42) v1(76,3.42) v1(76,1.42) v1(76.5,116.12) v1(76.6,26.92) v1(76.6,25.92) v1(76.6,24.92) v1(76.6,23.92) v1(77.1,106.52) v1(77.4,116.42) v1(77.6,27.92) v1(77.6,26.92) v1(77.6,25.92) v1(77.6,23.92) v1(78,84.42) v1(78,82.42) v1(78,80.42) v1(78,78.42) v1(78,76.42) v1(78,74.42) v1(78,72.42) v1(78,70.42) v1(78,68.42) v1(78,66.42) v1(78,64.42) v1(78,62.42) v1(78,60.42) v1(78,58.42) v1(78,56.42) v1(78,54.42) v1(78,50.42) v1(78,48.42) v1(78,46.42) v1(78,5.42) v1(78,2.42) v1(78,1.42) v1(78.4,116.32) v1(78.6,27.92) v1(78.6,26.92) v1(78.6,25.92) v1(78.6,24.92) v1(78.6,23.92) v1(79.1,116.02) v1(79.6,115.52) v1(79.6,26.92) v1(79.6,25.92) v1(79.6,23.92) v1(80,84.42) v1(80,82.42) v1(80,80.42) v1(80,78.42) v1(80,76.42) v1(80,74.42) v1(80,72.42) v1(80,70.42) v1(80,68.42) v1(80,66.42) v1(80,64.42) v1(80,62.42) v1(80,60.42) v1(80,58.42) v1(80,5.42) v1(80,2.42) v1(80,1.42) v1(80.5,115.32) v1(80.6,27.92) v1(80.6,26.92) v1(80.6,25.92) v1(80.6,24.92) v1(80.6,23.92) v1(80.8,111.52) v1(80.8,110.52) v1(80.8,109.52) v1(80.8,108.52) v1(80.8,107.52) v1(80.8,106.52) v1(80.8,105.52) v1(81,104.52) v1(81,103.52) v1(81.6,27.92) v1(81.6,26.92) v1(81.6,25.92) v1(81.6,23.92) v1(82,58.42) v1(82,5.42) v1(82,1.42) v1(82.6,27.92) v1(82.6,26.92) v1(82.6,25.92) v1(82.6,24.92) v1(82.6,23.92) v1(83,82.22) v1(83,81.42) v1(83,80.42) v1(83,79.42) v1(83,78.42) v1(83,77.42) v1(83,76.42) v1(83,75.42) v1(83,74.42) v1(83,73.42) v1(83,72.42) v1(83,71.42) v1(83,70.42) v1(83,69.42) v1(83,68.42) v1(83,67.42) v1(83,66.42) v1(83,65.42) v1(83,64.42) v1(83,63.52) v1(83,62.52) v1(83.27,82.99) v1(83.53,61.69) v1(83.6,27.92) v1(83.6,25.92) v1(83.6,23.92) v1(84,5.42) v1(84,3.42) v1(84,1.42) v1(84.24,60.98) v1(84.6,25.92) v1(84.6,24.92) v1(84.6,23.92) v1(85.39,85.11) v1(86,5.42) v1(86,3.42) v1(86,1.42) v1(86.1,85.82) v1(86.8,87.52) v1(86.8,86.52) v1(87.14,51.12) v1(87.1,50.12) v1(87.1,49.12) v1(87.1,48.12) v1(87.1,47.15) v1(87.24,53.12) v1(87.2,52.12) v1(87.2,41.22) v1(87.2,40.25) v1(87.24,39.22) v1(87.24,38.22) v1(87.24,37.22) v1(88,5.42) v1(88,3.42) v1(88,1.42) v1(90,5.42) v1(90,3.42) v1(90,1.42) v1(92,5.42) v1(92,3.42) v1(92,1.42) v1(92.8,26.52) v1(92.8,25.52) v1(93.8,26.52) v1(94,5.42) v1(94,3.42) v1(94,1.42) v1(94.8,26.52) v1(95.8,26.52) v1(96,15.42) v1(96,13.42) v1(96,11.42) v1(96,9.42) v1(96,7.42) v1(96,5.42) v1(96,3.42) v1(96,1.42) v1(96.8,26.52) v1(96.8,25.52) v1(97.5,30.12) v1(97.5,29.12) v1(98,15.42) v1(98,13.42) v1(98,11.42) v1(98,9.42) v1(98,7.42) v1(98,5.42) v1(98,3.42) v1(98,1.42) v1(98.5,30.12) v1(98.5,28.12) v1(99.5,27.12) v1(99.5,26.12) v1(100,15.42) v1(100,13.42) v1(100,11.42) v1(100,9.42) v1(100,7.42) v1(100,5.42) v1(100,3.42) v1(100,1.42) v1(100.5,28.12) v1(100.5,27.12) v1(102,13.42) v1(102,11.42) v1(102,9.42) v1(102,1.42) v1(104,11.42) v1(104,9.42) v1(104,1.42) v1(106,1.42) v1(108,7.42) v1(108,5.42) v1(108,3.42) v1(108,1.42) v1(109.3,38.52) v1(109.3,37.52) v1(110,7.42) v1(110,5.42) v1(110,3.42) v1(110,1.42) v1(110.1,118.92) v1(111.2,30.62) v1(112,3.42) v1(112,1.42) v1(112.2,30.62) v1(113.2,30.62) v1(113.8,14.42) v1(114,3.42) v1(114,1.42) v1(114.2,30.62) v1(114.4,15.12) v1(115.2,30.62) v1(116,3.42) v1(116,1.42) v1(116.1,28.12) v1(116.1,27.12) v1(116.1,26.12) v1(116.1,25.12) v1(116.1,24.12) v1(116.1,23.12) v1(116.1,22.12) v1(116.1,21.12) v1(116.1,20.12) v1(116.1,19.12) v1(116.1,18.12) v1(117.1,27.12) v1(117.1,26.12) v1(117.1,25.12) v1(117.1,24.12) v1(117.1,23.12) v1(117.1,22.12) v1(117.1,20.12) v1(117.1,19.12) v1(117.1,18.12) v1(117.1,17.12) v1(118,7.42) v1(118,5.42) v1(118,3.42) v1(118.1,28.12) v1(118.1,27.12) v1(118.1,26.12) v1(118.1,25.12) v1(118.1,24.12) v1(118.1,23.12) v1(118.1,22.12) v1(118.1,21.12) v1(118.1,20.12) v1(118.1,19.12) v1(118.1,18.12) v1(118.1,17.12) v1(119.1,28.12) v1(119.1,27.12) v1(119.1,25.12) v1(119.1,24.12) v1(119.1,23.12) v1(119.1,22.12) v1(119.1,21.12) v1(119.1,20.12) v1(119.1,18.12) v1(119.1,17.12) v1(120,3.42) v1(120.1,28.12) v1(120.1,27.12) v1(120.1,26.12) v1(120.1,23.12) v1(120.1,22.12) v1(120.1,21.12) v1(120.1,19.12) v1(120.1,18.12) v1(120.1,17.12) v1(121.1,28.12) v1(121.1,27.12) v1(121.1,26.12) v1(121.1,25.12) v1(121.1,24.12) v1(121.1,23.12) v1(121.1,22.12) v1(121.1,21.12) v1(121.1,20.12) v1(121.1,19.12) v1(121.1,18.12) v1(121.1,17.12) v1(122.1,28.12) v1(122.1,27.12) v1(122.1,25.12) v1(122.1,24.12) v1(122.1,23.12) v1(122.1,22.12) v1(122.1,21.12) v1(122.1,20.12) v1(122.1,18.12) v1(122.1,17.12) v1(123.1,28.12) v1(123.1,27.12) v1(123.1,26.12) v1(123.1,25.12) v1(123.1,24.12) v1(123.1,23.12) v1(123.1,22.12) v1(123.1,21.12) v1(123.1,20.12) v1(123.1,19.12) v1(123.1,18.12) v1(123.1,17.12) v1(124,7.42) v1(124.1,28.12) v1(124.1,27.12) v1(124.1,25.12) v1(124.1,24.12) v1(124.1,23.12) v1(124.1,22.12) v1(124.1,21.12) v1(124.1,20.12) v1(124.1,18.12) v1(124.1,17.12) v1(125.1,28.12) v1(125.1,27.12) v1(125.1,25.12) v1(125.1,24.12) v1(125.1,23.12) v1(125.1,22.12) v1(125.1,21.12) v1(125.1,20.12) v1(125.1,19.12) v1(125.1,18.12) v1(125.1,17.12) v1(126.1,28.12) v1(126.1,26.12) v1(126.1,25.12) v1(126.1,24.12) v1(126.1,23.12) v1(126.1,22.12) v1(126.1,21.12) v1(126.1,20.12) v1(126.1,19.12) v1(126.1,18.12) v1(126.1,17.12) v1(127.1,28.12) v1(127.1,27.12) v1(127.1,26.12) v1(127.1,25.12) v1(127.1,24.12) v1(127.1,23.12) v1(127.1,22.12) v1(127.1,21.12) v1(127.1,20.12) v1(127.1,19.12) v1(127.1,18.12) v1(127.1,17.12)